# Altium PCB spin5v1_simple.PcbDoc (part 2 of 25) (continued)
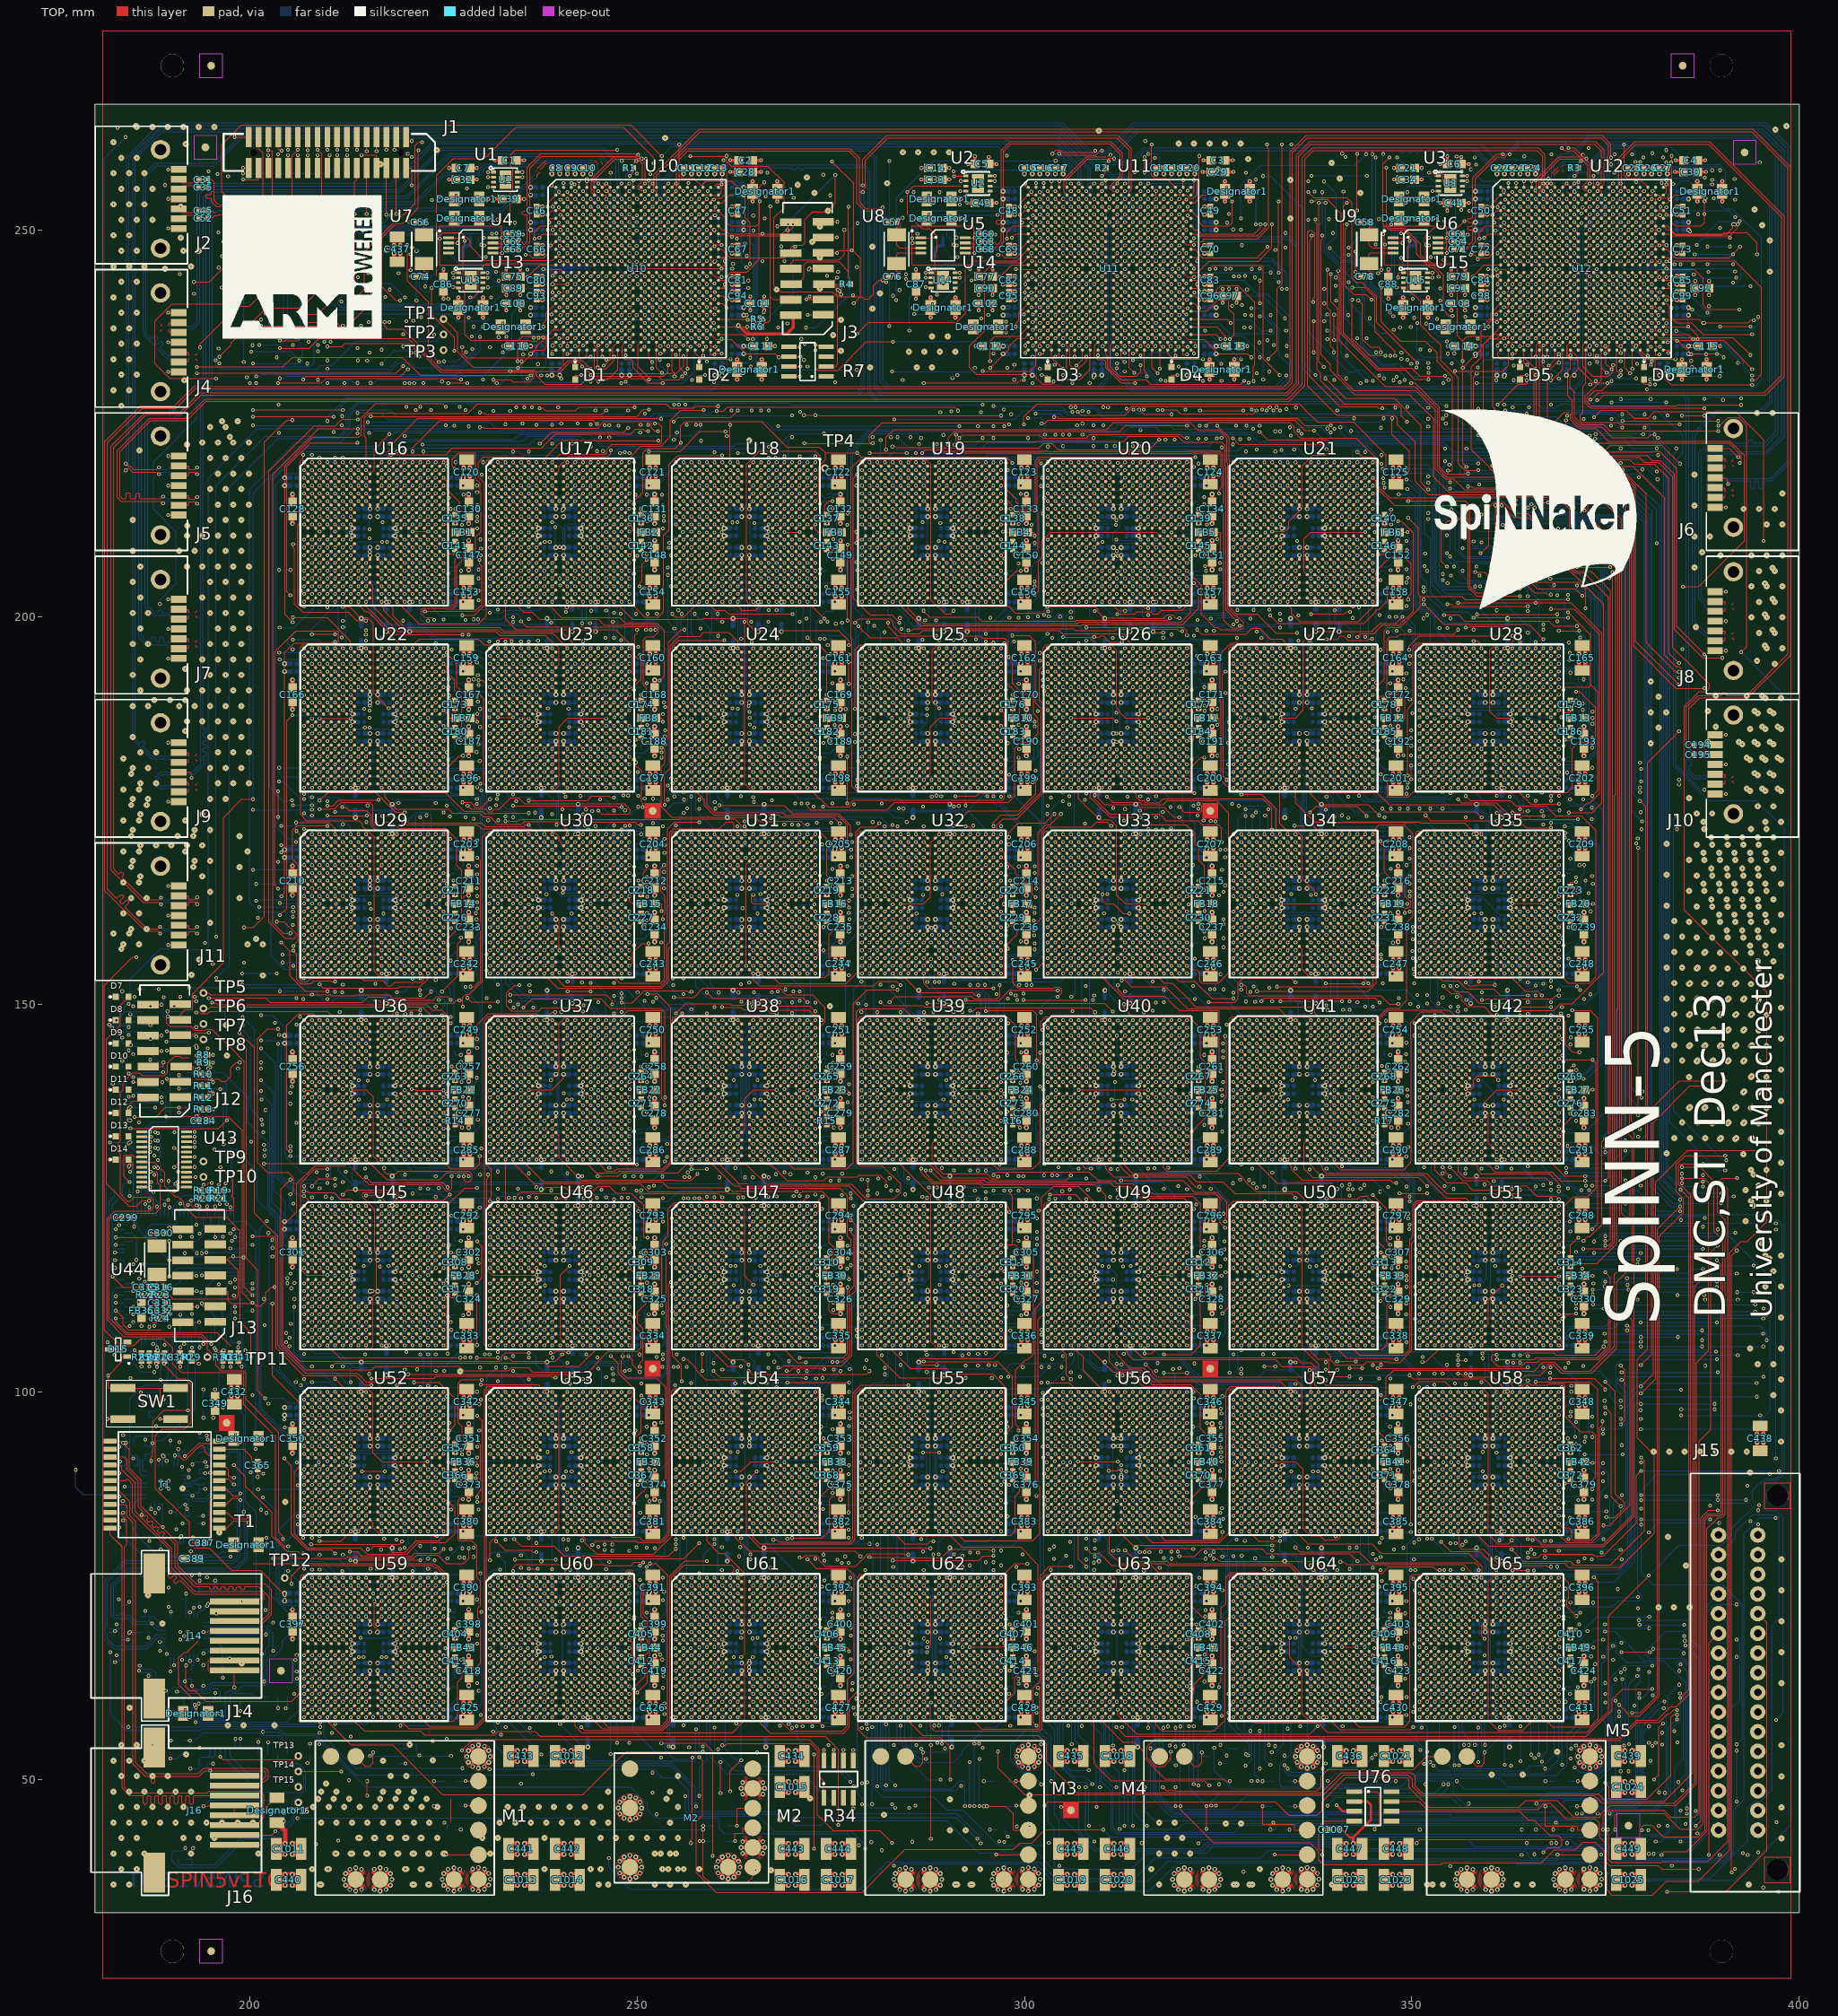
[diagram p0: TOP view]
## Components (designator, comment, footprint, x,y, rotation, side; value= is the part's Value field where it differs from the comment) (continued)
R191 "RES_0603" RES_0603 297,49.75 r180 bottom
R192 "RES_0603" RES_0603 226,49.75 r180 bottom
R193 "RES_0603" RES_0603 369.5,46.5 r180 bottom
R194 "RES_0603" RES_0603 333,46.5 r180 bottom
R195 "RES_0603" RES_0603 297,46.5 r180 bottom
R196 "RES_0603" RES_0603 226,46.5 r180 bottom
R197 "RES_0603" RES_0603 260.75,44 r180 bottom
R198 "RES_0402" RES_0402 369.5,43.5 r180 bottom
R199 "RES_0402" RES_0402 333,43.5 r180 bottom
R200 "RES_0402" RES_0402 297,43.5 r0 bottom
R201 "RES_0402" RES_0402 226,43.5 r180 bottom
R202 "RES_0603" RES_0603 260.75,42 r180 bottom
R203 "RES_0402" RES_0402 191.75,40.25 r90 bottom
R204 "RES_0402" RES_0402 190.75,40.25 r90 bottom
SW1 "SW_SM_PUSHB" PCBSW_SMT 187.05,98.5 r180 top
T1 "WURTH_ETH_TXFMR" WURTH_ETH_TXFMR 189,88 r180 top
TP1 "TP" TP_SMALL 225,238.5 r0 top
TP2 "TP" TP_SMALL 225,236.5 r0 top
TP3 "TP" TP_SMALL 225,234.5 r0 top
TP4 "TP" TP_SMALL 274.25,219.25 r0 top
TP5 "TP" TP_SMALL 194,151.5 r0 top
TP6 "TP" TP_SMALL 194,149.5 r0 top
TP7 "TP" TP_SMALL 194,147.5 r0 top
TP8 "TP" TP_SMALL 194,145.5 r0 top
TP9 "TP" TP_SMALL 194,129.75 r0 top
TP10 "TP" TP_SMALL 194,127.75 r0 top
TP11 "TP" TP_SMALL 194.5,104.5 r0 top
TP12 "TP" TP_SMALL 204.5,76 r0 top
TP13 "TP" TP_SMALL 206.25,53 r0 top
TP14 "TP" TP_SMALL 206.25,51 r0 top
TP15 "TP" TP_SMALL 206.25,49 r0 top
TP16 "TP" TP_SMALL 206.25,47 r0 top
U1 "MCP1726_DFN" 8_LEAD_3X3X09_DFN 232.834,256.603 r0 top
U2 "MCP1726_DFN" 8_LEAD_3X3X09_DFN 293.834,256.103 r0 top
U3 "MCP1726_DFN" 8_LEAD_3X3X09_DFN 354.834,256.103 r0 top
U4 "ICS844071" TSSOP8 228.172,248 r0 top
U5 "ICS844071" TSSOP8 289.172,248 r0 top
U6 "ICS844071" TSSOP8 350.172,248 r0 top
U7 "XTAL_TXC_7A" 7A_SMD_XTAL 222.5,247.5 r270 top
U8 "XTAL_TXC_7A" 7A_SMD_XTAL 283.5,247.5 r270 top
U9 "XTAL_TXC_7A" 7A_SMD_XTAL 344.5,247.5 r270 top
U10 "6SLX45TFGG484" FG484 250,245 r0 top
U11 "6SLX45TFGG484" FG484 311,245 r0 top
U12 "6SLX45TFGG484" FG484 372,245 r0 top
U13 "MCP1726_DFN" 8_LEAD_3X3X09_DFN 228.334,243.603 r0 top
U14 "MCP1726_DFN" 8_LEAD_3X3X09_DFN 289.334,243.603 r0 top
U15 "MCP1726_DFN" 8_LEAD_3X3X09_DFN 350.334,243.603 r0 top
U16 "SPINN2_V2" 300BGA 216.05,211 r0 top
U17 "SPINN2_V2" 300BGA 240.05,211 r0 top
U18 "SPINN2_V2" 300BGA 264.05,211 r0 top
U19 "SPINN2_V2" 300BGA 288.05,211 r0 top
U20 "SPINN2_V2" 300BGA 312.05,211 r0 top
U21 "SPINN2_V2" 300BGA 336.05,211 r0 top
U22 "SPINN2_V2" 300BGA 216.05,187 r0 top
U23 "SPINN2_V2" 300BGA 240.05,187 r0 top
U24 "SPINN2_V2" 300BGA 264.05,187 r0 top
U25 "SPINN2_V2" 300BGA 288.05,187 r0 top
U26 "SPINN2_V2" 300BGA 312.05,187 r0 top
U27 "SPINN2_V2" 300BGA 336.05,187 r0 top
U28 "SPINN2_V2" 300BGA 360.05,187 r0 top
U29 "SPINN2_V2" 300BGA 216.05,163 r0 top
U30 "SPINN2_V2" 300BGA 240.05,163 r0 top
U31 "SPINN2_V2" 300BGA 264.05,163 r0 top
U32 "SPINN2_V2" 300BGA 288.05,163 r0 top
U33 "SPINN2_V2" 300BGA 312.05,163 r0 top
U34 "SPINN2_V2" 300BGA 336.05,163 r0 top
U35 "SPINN2_V2" 300BGA 360.05,163 r0 top
U36 "SPINN2_V2" 300BGA 216.05,139 r0 top
U37 "SPINN2_V2" 300BGA 240.05,139 r0 top
U38 "SPINN2_V2" 300BGA 264.05,139 r0 top
U39 "SPINN2_V2" 300BGA 288.05,139 r0 top
U40 "SPINN2_V2" 300BGA 312.05,139 r0 top
U41 "SPINN2_V2" 300BGA 336.05,139 r0 top
U42 "SPINN2_V2" 300BGA 360.05,139 r0 top
U43 "SN74AVC8T245" TSSOP24 188.645,130.31 r0 top
U44 "XTAL_TXC_7A" 7A_SMD_XTAL 188,117 r90 top
U45 "SPINN2_V2" 300BGA 216.05,115 r0 top
U46 "SPINN2_V2" 300BGA 240.05,115 r0 top
U47 "SPINN2_V2" 300BGA 264.05,115 r0 top
U48 "SPINN2_V2" 300BGA 288.05,115 r0 top
U49 "SPINN2_V2" 300BGA 312.05,115 r0 top
U50 "SPINN2_V2" 300BGA 336.05,115 r0 top
U51 "SPINN2_V2" 300BGA 360.05,115 r0 top
U52 "SPINN2_V2" 300BGA 216.05,91 r0 top
U53 "SPINN2_V2" 300BGA 240.05,91 r0 top
U54 "SPINN2_V2" 300BGA 264.05,91 r0 top
U55 "SPINN2_V2" 300BGA 288.05,91 r0 top
U56 "SPINN2_V2" 300BGA 312.05,91 r0 top
U57 "SPINN2_V2" 300BGA 336.05,91 r0 top
U58 "SPINN2_V2" 300BGA 360.05,91 r0 top
U59 "SPINN2_V2" 300BGA 216.05,67 r0 top
U60 "SPINN2_V2" 300BGA 240.05,67 r0 top
U61 "SPINN2_V2" 300BGA 264.05,67 r0 top
U62 "SPINN2_V2" 300BGA 288.05,67 r0 top
U63 "SPINN2_V2" 300BGA 312.05,67 r0 top
U64 "SPINN2_V2" 300BGA 336.05,67 r0 top
U65 "SPINN2_V2" 300BGA 360.05,67 r0 top
U66 "SN74LV244A" TSSOP20 189.093,147.703 r0 bottom
U67 "SN74LV244A" TSSOP20 188.907,138.797 r180 bottom
U68 "LM4040" SOT23#2 183.268,125 r90 bottom
U69 "LPC1768" LQFP100 191.5,115 r180 bottom
U70 "NPN_SM" SOT23#3 189,98.268 r180 bottom
U71 "LAN8710A_QFN32" QFN32 189,87.638 r0 bottom
U72 "LAN8710A_QFN32" QFN32 191.5,68.862 r180 bottom
U73 "NPN_SM" SOT23#4 325,53.232 r0 bottom
U74 "NPN_SM" SOT23#5 218,53.232 r0 bottom
U75 "SN74AVC4T245" TSSOP16 196.447,57.093 r90 bottom
U76 "SN65HVD230D" SOIC8 344.944,46.706 r0 top
U77 "AT25DQ161" SOIC8_208 203.081,57 r270 bottom

## Footprints (in the part's own frame and the unit in brackets; to place one, negate y for a bottom-side part, rotate by r counter-clockwise, add the part's x,y. Pads: shape width x height; smd on the part's side, far side on the other; paste and mask are expansions set on the pad)
7A_SMD_XTAL [mm] "7A_SMD_XTAL"
  rect 1.7x2.4 smd: 1(-1.85,0) 2(1.85,0)
  silkscreen extent -2.2,-1.6 2.2,1.6, body extent -1.6,-1.25 1.6,1.25, height 0.91
8_LEAD_3X3X09_DFN [mm] "8_LEAD_3X3X09_DFN"
  rect 0.65x0.35 smd: 1(-1.384,0.872) 2(-1.384,0.222) 3(-1.384,-0.428) 4(-1.384,-1.078) 5(1.716,-1.078) 6(1.716,-0.428) 7(1.716,0.222) 8(1.716,0.872)
  rect 1.55x2.4 smd: 9(0.166,-0.103)
  silkscreen extent -1.94,-1.6 1.67,1.6, body extent -1.27,-1.65 1.75,1.35, height 0.8
300BGA [mm] "300BGA"
  round 0.4 smd: A1(-8.55,8.5) A2(-7.55,8.5) A3(-6.55,8.5) A4(-5.55,8.5) A5(-4.55,8.5) A6(-3.55,8.5) A7(-2.55,8.5) A8(-1.55,8.5) A9(-0.55,8.5) A10(0.45,8.5) A11(1.45,8.5) A12(2.45,8.5) A13(3.45,8.5) A14(4.45,8.5) A15(5.45,8.5) A16(6.45,8.5) A17(7.45,8.5) A18(8.45,8.5) B1(-8.55,7.5) B2(-7.55,7.5) B3(-6.55,7.5) B4(-5.55,7.5) B5(-4.55,7.5) B6(-3.55,7.5) B7(-2.55,7.5) B8(-1.55,7.5) B9(-0.55,7.5) B10(0.45,7.5) B11(1.45,7.5) B12(2.45,7.5) B13(3.45,7.5) B14(4.45,7.5) B15(5.45,7.5) B16(6.45,7.5) B17(7.45,7.5) B18(8.45,7.5) C1(-8.55,6.5) C2(-7.55,6.5) C3(-6.55,6.5) C4(-5.55,6.5) C5(-4.55,6.5) C6(-3.55,6.5) C7(-2.55,6.5) C8(-1.55,6.5) C9(-0.55,6.5) C10(0.45,6.5) C11(1.45,6.5) C12(2.45,6.5) C13(3.45,6.5) C14(4.45,6.5) C15(5.45,6.5) C16(6.45,6.5) C17(7.45,6.5) C18(8.45,6.5) D1(-8.55,5.5) D2(-7.55,5.5) D3(-6.55,5.5) D4(-5.55,5.5) D5(-4.55,5.5) D6(-3.55,5.5) D7(-2.55,5.5) D8(-1.55,5.5) D9(-0.55,5.5) D10(0.45,5.5) D11(1.45,5.5) D12(2.45,5.5) D13(3.45,5.5) D14(4.45,5.5) D15(5.45,5.5) D16(6.45,5.5) D17(7.45,5.5) D18(8.45,5.5) E1(-8.55,4.5) E2(-7.55,4.5) E3(-6.55,4.5) E4(-5.55,4.5) E5(-4.55,4.5) E6(-3.55,4.5) E7(-2.55,4.5) E8(-1.55,4.5) E9(-0.55,4.5) E10(0.45,4.5) E11(1.45,4.5) E12(2.45,4.5) E13(3.45,4.5) E14(4.45,4.5) E15(5.45,4.5) E16(6.45,4.5) E17(7.45,4.5) E18(8.45,4.5) F1(-8.55,3.5) F2(-7.55,3.5) F3(-6.55,3.5) F4(-5.55,3.5) F5(-4.55,3.5) F6(-3.55,3.5) F7(-2.55,3.5) F8(-1.55,3.5) F9(-0.55,3.5) F10(0.45,3.5) F11(1.45,3.5) F12(2.45,3.5) F13(3.45,3.5) F14(4.45,3.5) F15(5.45,3.5) F16(6.45,3.5) F17(7.45,3.5) F18(8.45,3.5) G1(-8.55,2.5) G2(-7.55,2.5) G3(-6.55,2.5) G4(-5.55,2.5) G5(-4.55,2.5) G6(-3.55,2.5) G7(-2.55,2.5) G12(2.45,2.5) G13(3.45,2.5) G14(4.45,2.5) G15(5.45,2.5) G16(6.45,2.5) G17(7.45,2.5) G18(8.45,2.5) H1(-8.55,1.5) H2(-7.55,1.5) H3(-6.55,1.5) H4(-5.55,1.5) H5(-4.55,1.5) H6(-3.55,1.5) H7(-2.55,1.5) H12(2.45,1.5) H13(3.45,1.5) H14(4.45,1.5) H15(5.45,1.5) H16(6.45,1.5) H17(7.45,1.5) H18(8.45,1.5) J1(-8.55,0.5) J2(-7.55,0.5) J3(-6.55,0.5) J4(-5.55,0.5) J5(-4.55,0.5) J6(-3.55,0.5) J7(-2.55,0.5) J12(2.45,0.5) J13(3.45,0.5) J14(4.45,0.5) J15(5.45,0.5) J16(6.45,0.5) J17(7.45,0.5) J18(8.45,0.5) K1(-8.55,-0.5) K2(-7.55,-0.5) K3(-6.55,-0.5) K4(-5.55,-0.5) K5(-4.55,-0.5) K6(-3.55,-0.5) K7(-2.55,-0.5) K12(2.45,-0.5) K13(3.45,-0.5) K14(4.45,-0.5) K15(5.45,-0.5) K16(6.45,-0.5) K17(7.45,-0.5) K18(8.45,-0.5) L1(-8.55,-1.5) L2(-7.55,-1.5) L3(-6.55,-1.5) L4(-5.55,-1.5) L5(-4.55,-1.5) L6(-3.55,-1.5) L7(-2.55,-1.5) L12(2.45,-1.5) L13(3.45,-1.5) L14(4.45,-1.5) L15(5.45,-1.5) L16(6.45,-1.5) L17(7.45,-1.5) L18(8.45,-1.5) M1(-8.55,-2.5) M2(-7.55,-2.5) M3(-6.55,-2.5) M4(-5.55,-2.5) M5(-4.55,-2.5) M6(-3.55,-2.5) M7(-2.55,-2.5) M12(2.45,-2.5) M13(3.45,-2.5) M14(4.45,-2.5) M15(5.45,-2.5) M16(6.45,-2.5) M17(7.45,-2.5) M18(8.45,-2.5) N1(-8.55,-3.5) N2(-7.55,-3.5) N3(-6.55,-3.5) N4(-5.55,-3.5) N5(-4.55,-3.5) N6(-3.55,-3.5) N7(-2.55,-3.5) N8(-1.55,-3.5) N9(-0.55,-3.5) N10(0.45,-3.5) N11(1.45,-3.5) N12(2.45,-3.5) N13(3.45,-3.5) N14(4.45,-3.5) N15(5.45,-3.5) N16(6.45,-3.5) N17(7.45,-3.5) N18(8.45,-3.5) P1(-8.55,-4.5) P2(-7.55,-4.5) P3(-6.55,-4.5) P4(-5.55,-4.5) P5(-4.55,-4.5) P6(-3.55,-4.5) P7(-2.55,-4.5) P8(-1.55,-4.5) P9(-0.55,-4.5) P10(0.45,-4.5) P11(1.45,-4.5) P12(2.45,-4.5) P13(3.45,-4.5) P14(4.45,-4.5) P15(5.45,-4.5) P16(6.45,-4.5) P17(7.45,-4.5) P18(8.45,-4.5) R1(-8.55,-5.5) R2(-7.55,-5.5) R3(-6.55,-5.5) R4(-5.55,-5.5) R5(-4.55,-5.5) R6(-3.55,-5.5) R7(-2.55,-5.5) R8(-1.55,-5.5) R9(-0.55,-5.5) R10(0.45,-5.5) R11(1.45,-5.5) R12(2.45,-5.5) R13(3.45,-5.5) R14(4.45,-5.5) R15(5.45,-5.5) R16(6.45,-5.5) R17(7.45,-5.5) R18(8.45,-5.5) T1(-8.55,-6.5) T2(-7.55,-6.5) T3(-6.55,-6.5) T4(-5.55,-6.5) T5(-4.55,-6.5) T6(-3.55,-6.5) T7(-2.55,-6.5) T8(-1.55,-6.5) T9(-0.55,-6.5) T10(0.45,-6.5) T11(1.45,-6.5) T12(2.45,-6.5) T13(3.45,-6.5) T14(4.45,-6.5) T15(5.45,-6.5) T16(6.45,-6.5) T17(7.45,-6.5) T18(8.45,-6.5) U1(-8.55,-7.5) U2(-7.55,-7.5) U3(-6.55,-7.5) U4(-5.55,-7.5) U5(-4.55,-7.5) U6(-3.55,-7.5) U7(-2.55,-7.5) U8(-1.55,-7.5) U9(-0.55,-7.5) U10(0.45,-7.5) U11(1.45,-7.5) U12(2.45,-7.5) U13(3.45,-7.5) U14(4.45,-7.5) U15(5.45,-7.5) U16(6.45,-7.5) U17(7.45,-7.5) U18(8.45,-7.5) V1(-8.55,-8.5) V2(-7.55,-8.5) V3(-6.55,-8.5) V4(-5.55,-8.5) V5(-4.55,-8.5) V6(-3.55,-8.5) V7(-2.55,-8.5) V8(-1.55,-8.5) V9(-0.55,-8.5) V10(0.45,-8.5) V11(1.45,-8.5) V12(2.45,-8.5) V13(3.45,-8.5) V14(4.45,-8.5) V15(5.45,-8.5) V16(6.45,-8.5) V17(7.45,-8.5) V18(8.45,-8.5)
  TOP lines w0.127: -9.05,-9 -8.55,-8.5 ; -9.05,-8 -8.55,-7.5 ; -9.05,-7 -8.55,-6.5 ; -9.05,-6 -8.55,-5.5 ; -9.05,-5 -8.55,-4.5 ; -9.05,-4 -8.55,-3.5 ; -9.05,-3 -8.55,-2.5 ; -9.05,-2 -8.55,-1.5 ; -9.05,-1 -8.55,-0.5 ; -9.05,1 -8.55,0.5 ; -9.05,2 -8.55,1.5 ; -9.05,3 -8.55,2.5 ; -9.05,4 -8.55,3.5 ; -9.05,5 -8.55,4.5 ; -9.05,6 -8.55,5.5 ; -9.05,7 -8.55,6.5 ; -9.05,8 -8.55,7.5 ; -9.05,9 -8.55,8.5 ; -8.05,-9 -7.55,-8.5 ; -8.05,-8 -7.55,-7.5 ; -8.05,-7 -7.55,-6.5 ; -8.05,-6 -7.55,-5.5 ; -8.05,-5 -7.55,-4.5 ; -8.05,-4 -7.55,-3.5 ; -8.05,-3 -7.55,-2.5 ; -8.05,-2 -7.55,-1.5 ; -8.05,-1 -7.55,-0.5 ; -8.05,1 -7.55,0.5 ; -8.05,2 -7.55,1.5 ; -8.05,3 -7.55,2.5 ; -8.05,4 -7.55,3.5 ; -8.05,5 -7.55,4.5 ; -8.05,6 -7.55,5.5 ; -8.05,7 -7.55,6.5 ; -8.05,8 -7.55,7.5 ; -8.05,9 -7.55,8.5 ; -7.05,-9 -6.55,-8.5 ; -7.05,-8 -6.55,-7.5 ; -7.05,-7 -6.55,-6.5 ; -7.05,-6 -6.55,-5.5 ; -7.05,-5 -6.55,-4.5 ; -7.05,-4 -6.55,-3.5 ; -7.05,-3 -6.55,-2.5 ; -7.05,-2 -6.55,-1.5 ; -7.05,-1 -6.55,-0.5 ; -7.05,1 -6.55,0.5 ; -7.05,2 -6.55,1.5 ; -7.05,3 -6.55,2.5 ; -7.05,4 -6.55,3.5 ; -7.05,5 -6.55,4.5 ; -7.05,6 -6.55,5.5 ; -7.05,7 -6.55,6.5 ; -7.05,8 -6.55,7.5 ; -7.05,9 -6.55,8.5 ; -6.05,-9 -5.55,-8.5 ; -6.05,-8 -5.55,-7.5 ; -6.05,-7 -5.55,-6.5 ; -6.05,-6 -5.55,-5.5 ; -6.05,-5 -5.55,-4.5 ; -6.05,-4 -5.55,-3.5 ; -6.05,-3 -5.55,-2.5 ; -6.05,-2 -5.55,-1.5 ; -6.05,-1 -5.55,-0.5 ; -6.05,1 -5.55,0.5 ; -6.05,2 -5.55,1.5 ; -6.05,3 -5.55,2.5 ; -6.05,4 -5.55,3.5 ; -6.05,5 -5.55,4.5 ; -6.05,6 -5.55,5.5 ; -6.05,7 -5.55,6.5 ; -6.05,8 -5.55,7.5 ; -6.05,9 -5.55,8.5 ; -5.05,-9 -4.55,-8.5 ; -5.05,-8 -4.55,-7.5 ; -5.05,-7 -4.55,-6.5 ; -5.05,-6 -4.55,-5.5 ; -5.05,-5 -4.55,-4.5 ; -5.05,-4 -4.55,-3.5 ; -5.05,-3 -4.55,-2.5 ; -5.05,-2 -4.55,-1.5 ; -5.05,-1 -4.55,-0.5 ; -5.05,1 -4.55,0.5 ; -5.05,2 -4.55,1.5 ; -5.05,3 -4.55,2.5 ; -5.05,4 -4.55,3.5 ; -5.05,5 -4.55,4.5 ; -5.05,6 -4.55,5.5 ; -5.05,7 -4.55,6.5 ; -5.05,8 -4.55,7.5 ; -5.05,9 -4.55,8.5 ; -4.05,-9 -3.55,-8.5 ; -4.05,-8 -3.55,-7.5 ; -4.05,-7 -3.55,-6.5 ; -4.05,-6 -3.55,-5.5 ; -4.05,-5 -3.55,-4.5 ; -4.05,-4 -3.55,-3.5 ; -4.05,-3 -3.55,-2.5 ; -4.05,-2 -3.55,-1.5 ; -4.05,-1 -3.55,-0.5 ; -4.05,1 -3.55,0.5 ; -4.05,2 -3.55,1.5 ; -4.05,3 -3.55,2.5 ; -4.05,4 -3.55,3.5 ; -4.05,5 -3.55,4.5 ; -4.05,6 -3.55,5.5 ; -4.05,7 -3.55,6.5 ; -4.05,8 -3.55,7.5 ; -4.05,9 -3.55,8.5 ; -3.05,-9 -2.55,-8.5 ; -3.05,-8 -2.55,-7.5 ; -3.05,-7 -2.55,-6.5 ; -3.05,-6 -2.55,-5.5 ; -3.05,-5 -2.55,-4.5 ; -3.05,-4 -2.55,-3.5 ; -3.05,-3 -2.55,-2.5 ; -3.05,-2 -2.55,-1.5 ; -3.05,-1 -2.55,-0.5 ; -3.05,1 -2.55,0.5 ; -3.05,2 -2.55,1.5 ; -3.05,3 -2.55,2.5 ; -3.05,4 -2.55,3.5 ; -3.05,5 -2.55,4.5 ; -3.05,6 -2.55,5.5 ; -3.05,7 -2.55,6.5 ; -3.05,8 -2.55,7.5 ; -3.05,9 -2.55,8.5 ; -2.05,-9 -1.55,-8.5 ; -2.05,-8 -1.55,-7.5 ; -2.05,-7 -1.55,-6.5 ; -2.05,-6 -1.55,-5.5 ; -2.05,-5 -1.55,-4.5 ; -2.05,-4 -1.55,-3.5 ; -2.05,4 -1.55,3.5 ; -2.05,5 -1.55,4.5 ; -2.05,6 -1.55,5.5 ; -2.05,7 -1.55,6.5 ; -2.05,8 -1.55,7.5 ; -2.05,9 -1.55,8.5 ; -1.05,-9 -0.55,-8.5 ; -1.05,-8 -0.55,-7.5 ; -1.05,-7 -0.55,-6.5 ; -1.05,-6 -0.55,-5.5 ; -1.05,-5 -0.55,-4.5 ; -1.05,-4 -0.55,-3.5 ; -1.05,4 -0.55,3.5 ; -1.05,5 -0.55,4.5 ; -1.05,6 -0.55,5.5 ; -1.05,7 -0.55,6.5 ; -1.05,8 -0.55,7.5 ; -1.05,9 -0.55,8.5 ; 0.45,-8.5 0.95,-9 ; 0.45,-7.5 0.95,-8 ; 0.45,-6.5 0.95,-7 ; 0.45,-5.5 0.95,-6 ; 0.45,-4.5 0.95,-5 ; 0.45,-3.5 0.95,-4 ; 0.45,3.5 0.95,4 ; 0.45,4.5 0.95,5 ; 0.45,5.5 0.95,6 ; 0.45,6.5 0.95,7 ; 0.45,7.5 0.95,8 ; 0.45,8.5 0.95,9 ; 1.45,-8.5 1.95,-9 ; 1.45,-7.5 1.95,-8 ; 1.45,-6.5 1.95,-7 ; 1.45,-5.5 1.95,-6 ; 1.45,-4.5 1.95,-5 ; 1.45,-3.5 1.95,-4 ; 1.45,3.5 1.95,4 ; 1.45,4.5 1.95,5 ; 1.45,5.5 1.95,6 ; 1.45,6.5 1.95,7 ; 1.45,7.5 1.95,8 ; 1.45,8.5 1.95,9 ; 2.45,-8.5 2.95,-9 ; 2.45,-7.5 2.95,-8 ; 2.45,-6.5 2.95,-7 ; 2.45,-5.5 2.95,-6 ; 2.45,-4.5 2.95,-5 ; 2.45,-3.5 2.95,-4 ; 2.45,-2.5 2.95,-3 ; 2.45,-1.5 2.95,-2 ; 2.45,-0.5 2.95,-1 ; 2.45,0.5 2.95,1 ; 2.45,1.5 2.95,2 ; 2.45,2.5 2.95,3 ; 2.45,3.5 2.95,4 ; 2.45,4.5 2.95,5 ; 2.45,5.5 2.95,6 ; 2.45,6.5 2.95,7 ; 2.45,7.5 2.95,8 ; 2.45,8.5 2.95,9 ; 3.45,-8.5 3.95,-9 ; 3.45,-7.5 3.95,-8 ; 3.45,-6.5 3.95,-7 ; 3.45,-5.5 3.95,-6 ; 3.45,-4.5 3.95,-5 ; 3.45,-3.5 3.95,-4 ; 3.45,-2.5 3.95,-3 ; 3.45,-1.5 3.95,-2 ; 3.45,-0.5 3.95,-1 ; 3.45,0.5 3.95,1 ; 3.45,1.5 3.95,2 ; 3.45,2.5 3.95,3 ; 3.45,3.5 3.95,4 ; 3.45,4.5 3.95,5 ; 3.45,5.5 3.95,6 ; 3.45,6.5 3.95,7 ; 3.45,7.5 3.95,8 ; 3.45,8.5 3.95,9 ; 4.45,-8.5 4.95,-9 ; 4.45,-7.5 4.95,-8 ; 4.45,-6.5 4.95,-7 ; 4.45,-5.5 4.95,-6 ; 4.45,-4.5 4.95,-5 ; 4.45,-3.5 4.95,-4 ; 4.45,-2.5 4.95,-3 ; 4.45,-1.5 4.95,-2 ; 4.45,-0.5 4.95,-1 ; 4.45,0.5 4.95,1 ; 4.45,1.5 4.95,2 ; 4.45,2.5 4.95,3 ; 4.45,3.5 4.95,4 ; 4.45,4.5 4.95,5 ; 4.45,5.5 4.95,6 ; 4.45,6.5 4.95,7 ; 4.45,7.5 4.95,8 ; 4.45,8.5 4.95,9 ; 5.45,-8.5 5.95,-9 ; 5.45,-7.5 5.95,-8 ; 5.45,-6.5 5.95,-7 ; 5.45,-5.5 5.95,-6 ; 5.45,-4.5 5.95,-5 ; 5.45,-3.5 5.95,-4 ; 5.45,-2.5 5.95,-3 ; 5.45,-1.5 5.95,-2 ; 5.45,-0.5 5.95,-1 ; 5.45,0.5 5.95,1 ; 5.45,1.5 5.95,2 ; 5.45,2.5 5.95,3 ; 5.45,3.5 5.95,4 ; 5.45,4.5 5.95,5 ; 5.45,5.5 5.95,6 ; 5.45,6.5 5.95,7 ; 5.45,7.5 5.95,8 ; 5.45,8.5 5.95,9 ; 6.45,-8.5 6.95,-9 ; 6.45,-7.5 6.95,-8 ; 6.45,-6.5 6.95,-7 ; 6.45,-5.5 6.95,-6 ; 6.45,-4.5 6.95,-5 ; 6.45,-3.5 6.95,-4 ; 6.45,-2.5 6.95,-3 ; 6.45,-1.5 6.95,-2 ; 6.45,-0.5 6.95,-1 ; 6.45,0.5 6.95,1 ; 6.45,1.5 6.95,2 ; 6.45,2.5 6.95,3 ; 6.45,3.5 6.95,4 ; 6.45,4.5 6.95,5 ; 6.45,5.5 6.95,6 ; 6.45,6.5 6.95,7 ; 6.45,7.5 6.95,8 ; 6.45,8.5 6.95,9 ; 7.45,-8.5 7.95,-9 ; 7.45,-7.5 7.95,-8 ; 7.45,-6.5 7.95,-7 ; 7.45,-5.5 7.95,-6 ; 7.45,-4.5 7.95,-5 ; 7.45,-3.5 7.95,-4 ; 7.45,-2.5 7.95,-3 ; 7.45,-1.5 7.95,-2 ; 7.45,-0.5 7.95,-1 ; 7.45,0.5 7.95,1 ; 7.45,1.5 7.95,2 ; 7.45,2.5 7.95,3 ; 7.45,3.5 7.95,4 ; 7.45,4.5 7.95,5 ; 7.45,5.5 7.95,6 ; 7.45,6.5 7.95,7 ; 7.45,7.5 7.95,8 ; 7.45,8.5 7.95,9 ; 8.45,-8.5 8.95,-9 ; 8.45,-7.5 8.95,-8 ; 8.45,-6.5 8.95,-7 ; 8.45,-5.5 8.95,-6 ; 8.45,-4.5 8.95,-5 ; 8.45,-3.5 8.95,-4 ; 8.45,-2.5 8.95,-3 ; 8.45,-1.5 8.95,-2 ; 8.45,-0.5 8.95,-1 ; 8.45,0.5 8.95,1 ; 8.45,1.5 8.95,2 ; 8.45,2.5 8.95,3 ; 8.45,3.5 8.95,4 ; 8.45,4.5 8.95,5 ; 8.45,5.5 8.95,6 ; 8.45,6.5 8.95,7 ; 8.45,7.5 8.95,8 ; 8.45,8.5 8.95,9
  silkscreen extent -9.55,-9.5 9.55,9.5, body extent -9.56,-9.51 9.56,9.51, height 1
0603_LED [mm] "0603_LED"
  rect 0.8x0.8 smd: 1(-0.597,0) 2(1.053,0)
  TOP lines w0.127: -0.597,0 -1.364,0
  silkscreen extent -1.35,-0.1 -1.15,0.1
C42_34_SM [mm] "C42_34_SM"
  rect 2.6x0.74 smd: 1(-2,9.91) 2(2,9.91) 3(-2,8.64) 4(2,8.64) 5(-2,7.37) 6(2,7.37) 7(-2,6.1) 8(2,6.1) 9(-2,4.83) 10(2,4.83) 11(-2,3.56) 12(2,3.56) 13(-2,2.29) 14(2,2.29) 15(-2,1.02) 16(2,1.02) 17(-2,-0.25) 18(2,-0.25) 19(-2,-1.52) 20(2,-1.52) 21(-2,-2.79) 22(2,-2.79) 23(-2,-4.06) 24(2,-4.06) 25(-2,-5.33) 26(2,-5.33) 27(-2,-6.6) 28(2,-6.6) 29(-2,-7.87) 30(2,-7.87) 31(-2,-9.14) 32(2,-9.14) 33(-2,-10.41) 34(2,-10.41)
  round 1 hole 1: " "(0,9.275) " "(0,-9.775)
  TOP lines w0.127: -2,-12.235 -2,-10.41 ; -2,-9.14 -0.509,-9.14 0.052,-8.579 9.065,-8.579 ; -0.274,-7.87 -2,-7.87 ; -0.332,-5.33 -2,-5.33 ; -0.332,-4.06 -2,-4.06 ; -0.274,-2.79 -2,-2.79 ; -0.332,-1.52 -2,-1.52 ; 2,1.02 0.333,1.02 ; 2,2.29 0.333,2.29 ; 7.933,3.254 3.797,3.254 3.491,3.56 2,3.56 ; 7.933,4.83 2,4.83 ; 8.032,7.37 2,7.37 ; 7.93,8.64 2,8.64 ; 2,9.91 2,10.52 2.127,10.647 4.223,10.647
  silkscreen extent -2.4,-13.65 2.4,13.65, body extent -2.71,-12.54 2.79,12.04, height 5.6
CAP_0402 [mm] "CAP_0402"
  rect 0.69x0.74 smd: 1(-0.53,0) 2(0.53,0)
CAP_0402_VS [mm] "CAP_0402_VS"
  rect 0.69x0.74 smd: 1(-0.53,0) 2(0.53,0)
  TOP lines w0.61: -0.53,0 -0.5,-0.03 -0.5,-0.76 ; 0.5,-0.76 0.5,-0.03 0.53,0
CAP_0603 [mm] "CAP_0603"
  rect 1.15x1.1 smd: 1(-0.9,0) 2(0.9,0)
CAP_0603_VL [mm] "CAP_0603_VL"
  rect 1.15x1.1 smd: 1(-0.375,-0.188) 2(1.425,-0.188)
  TOP lines w0.61: 2.432,-0.188 1.425,-0.188 ; -0.375,-0.188 -1.382,-0.188
CAP_1206 [mm] "CAP_1206"
  rect 1.35x1.9 smd: 1(-1.6,-0.01) 2(1.6,-0.01)
CAP_1206VL [mm] "CAP_1206VL"
  rect 1.35x1.9 smd: 1(-1.6,-0.01) 2(1.6,-0.01)
  TOP lines w0.5: 0.493,-0.41 1.6,-0.41 1.6,-0.01 1.6,0.39 0.493,0.39 ; -0.493,-0.41 -1.6,-0.41 -1.6,-0.01 -1.6,0.39 -0.493,0.39
CAP_1210VL [mm] "CAP_1210VL"
  rect 1.35x2.8 smd: 1(-1.6,-0.045) 2(1.6,-0.045)
  TOP lines w0.61: -0.45,-0.745 -1.25,-0.745 -1.6,-0.395 -1.6,-0.045 -1.6,0.251 -1.196,0.655 -0.45,0.655 ; 0.45,-0.745 1.25,-0.745 1.6,-0.395 1.6,-0.045 1.6,0.251 1.196,0.655 0.45,0.655
DIN41612_32 [mm] "DIN41612_32"
  round 2.8 / inner round 3 / far side round 2.8 hole 2.8: " "(4.23,-24.13) " "(4.23,24.13)
  round 2 hole 1: A1(1.69,19.05) A2(1.69,16.51) A3(1.69,13.97) A4(1.69,11.43) A5(1.69,8.89) A6(1.69,6.35) A7(1.69,3.81) A8(1.69,1.27) A9(1.69,-1.27) A10(1.69,-3.81) A11(1.69,-6.35) A12(1.69,-8.89) A13(1.69,-11.43) A14(1.69,-13.97) A15(1.69,-16.51) A16(1.69,-19.05) C1(-3.39,19.05) C2(-3.39,16.51) C3(-3.39,13.97) C4(-3.39,11.43) C5(-3.39,8.89) C6(-3.39,6.35) C7(-3.39,3.81) C8(-3.39,1.27) C9(-3.39,-1.27) C10(-3.39,-3.81) C11(-3.39,-6.35) C12(-3.39,-8.89) C13(-3.39,-11.43) C14(-3.39,-13.97) C15(-3.39,-16.51) C16(-3.39,-19.05)
  Multi-Layer pour cut-out: 7.493,-25.308 7.493,28.702 -6.477,28.702 -6.477,-25.318 -6.467,-25.308 7.493,-25.308
  Multi-Layer lines w0.025: 2.55,-25.8 2.55,-22.5 5.85,-22.5 5.85,-25.8 2.55,-25.8 ; 2.55,22.5 2.55,25.8 5.85,25.8 5.85,22.5 2.55,22.5 ; 3.595,-24.765 3.595,-23.495 4.865,-23.495 4.865,-24.765 3.595,-24.765 ; 3.595,23.495 3.595,24.765 4.865,24.765 4.865,23.495 3.595,23.495
  silkscreen extent -7,-27 7.11,27, body extent -3.8,-26.54 14.22,26.67, height 9.45
FB_0603 [mm] "FB_0603"
  rect 1.15x1.1 smd: 1(-0.9,0) 2(0.9,0)
FG484 [mm] "FG484"
  round 0.4 smd: A1(-10.5,10.5) A2(-9.5,10.5) A3(-8.5,10.5) A4(-7.5,10.5) A5(-6.5,10.5) A6(-5.5,10.5) A7(-4.5,10.5) A8(-3.5,10.5) A9(-2.5,10.5) A10(-1.5,10.5) A11(-0.5,10.5) A12(0.5,10.5) A13(1.5,10.5) A14(2.5,10.5) A15(3.5,10.5) A16(4.5,10.5) A17(5.5,10.5) A18(6.5,10.5) A19(7.5,10.5) A20(8.5,10.5) A21(9.5,10.5) A22(10.5,10.5) AA1(-10.5,-9.5) AA2(-9.5,-9.5) AA3(-8.5,-9.5) AA4(-7.5,-9.5) AA5(-6.5,-9.5) AA6(-5.5,-9.5) AA7(-4.5,-9.5) AA8(-3.5,-9.5) AA9(-2.5,-9.5) AA10(-1.5,-9.5) AA11(-0.5,-9.5) AA12(0.5,-9.5) AA13(1.5,-9.5) AA14(2.5,-9.5) AA15(3.5,-9.5) AA16(4.5,-9.5) AA17(5.5,-9.5) AA18(6.5,-9.5) AA19(7.5,-9.5) AA20(8.5,-9.5) AA21(9.5,-9.5) AA22(10.5,-9.5) AB1(-10.5,-10.5) AB2(-9.5,-10.5) AB3(-8.5,-10.5) AB4(-7.5,-10.5) AB5(-6.5,-10.5) AB6(-5.5,-10.5) AB7(-4.5,-10.5) AB8(-3.5,-10.5) AB9(-2.5,-10.5) AB10(-1.5,-10.5) AB11(-0.5,-10.5) AB12(0.5,-10.5) AB13(1.5,-10.5) AB14(2.5,-10.5) AB15(3.5,-10.5) AB16(4.5,-10.5) AB17(5.5,-10.5) AB18(6.5,-10.5) AB19(7.5,-10.5) AB20(8.5,-10.5) AB21(9.5,-10.5) AB22(10.5,-10.5) B1(-10.5,9.5) B2(-9.5,9.5) B3(-8.5,9.5) B4(-7.5,9.5) B5(-6.5,9.5) B6(-5.5,9.5) B7(-4.5,9.5) B8(-3.5,9.5) B9(-2.5,9.5) B10(-1.5,9.5) B11(-0.5,9.5) B12(0.5,9.5) B13(1.5,9.5) B14(2.5,9.5) B15(3.5,9.5) B16(4.5,9.5) B17(5.5,9.5) B18(6.5,9.5) B19(7.5,9.5) B20(8.5,9.5) B21(9.5,9.5) B22(10.5,9.5) C1(-10.5,8.5) C2(-9.5,8.5) C3(-8.5,8.5) C4(-7.5,8.5) C5(-6.5,8.5) C6(-5.5,8.5) C7(-4.5,8.5) C8(-3.5,8.5) C9(-2.5,8.5) C10(-1.5,8.5) C11(-0.5,8.5) C12(0.5,8.5) C13(1.5,8.5) C14(2.5,8.5) C15(3.5,8.5) C16(4.5,8.5) C17(5.5,8.5) C18(6.5,8.5) C19(7.5,8.5) C20(8.5,8.5) C21(9.5,8.5) C22(10.5,8.5) D1(-10.5,7.5) D2(-9.5,7.5) D3(-8.5,7.5) D4(-7.5,7.5) D5(-6.5,7.5) D6(-5.5,7.5) D7(-4.5,7.5) D8(-3.5,7.5) D9(-2.5,7.5) D10(-1.5,7.5) D11(-0.5,7.5) D12(0.5,7.5) D13(1.5,7.5) D14(2.5,7.5) D15(3.5,7.5) D16(4.5,7.5) D17(5.5,7.5) D18(6.5,7.5) D19(7.5,7.5) D20(8.5,7.5) D21(9.5,7.5) D22(10.5,7.5) E1(-10.5,6.5) E2(-9.5,6.5) E3(-8.5,6.5) E4(-7.5,6.5) E5(-6.5,6.5) E6(-5.5,6.5) E7(-4.5,6.5) E8(-3.5,6.5) E9(-2.5,6.5) E10(-1.5,6.5) E11(-0.5,6.5) E12(0.5,6.5) E13(1.5,6.5) E14(2.5,6.5) E15(3.5,6.5) E16(4.5,6.5) E17(5.5,6.5) E18(6.5,6.5) E19(7.5,6.5) E20(8.5,6.5) E21(9.5,6.5) E22(10.5,6.5) F1(-10.5,5.5) F2(-9.5,5.5) F3(-8.5,5.5) F4(-7.5,5.5) F5(-6.5,5.5) F6(-5.5,5.5) F7(-4.5,5.5) F8(-3.5,5.5) F9(-2.5,5.5) F10(-1.5,5.5) F11(-0.5,5.5) F12(0.5,5.5) F13(1.5,5.5) F14(2.5,5.5) F15(3.5,5.5) F16(4.5,5.5) F17(5.5,5.5) F18(6.5,5.5) F19(7.5,5.5) F20(8.5,5.5) F21(9.5,5.5) F22(10.5,5.5) G1(-10.5,4.5) G2(-9.5,4.5) G3(-8.5,4.5) G4(-7.5,4.5) G5(-6.5,4.5) G6(-5.5,4.5) G7(-4.5,4.5) G8(-3.5,4.5) G9(-2.5,4.5) G10(-1.5,4.5) G11(-0.5,4.5) G12(0.5,4.5) G13(1.5,4.5) G14(2.5,4.5) G15(3.5,4.5) G16(4.5,4.5) G17(5.5,4.5) G18(6.5,4.5) G19(7.5,4.5) G20(8.5,4.5) G21(9.5,4.5) G22(10.5,4.5) H1(-10.5,3.5) H2(-9.5,3.5) H3(-8.5,3.5) H4(-7.5,3.5) H5(-6.5,3.5) H6(-5.5,3.5) H7(-4.5,3.5) H8(-3.5,3.5) H9(-2.5,3.5) H10(-1.5,3.5) H11(-0.5,3.5) H12(0.5,3.5) H13(1.5,3.5) H14(2.5,3.5) H15(3.5,3.5) H16(4.5,3.5) H17(5.5,3.5) H18(6.5,3.5) H19(7.5,3.5) H20(8.5,3.5) H21(9.5,3.5) H22(10.5,3.5) J1(-10.5,2.5) J2(-9.5,2.5) J3(-8.5,2.5) J4(-7.5,2.5) J5(-6.5,2.5) J6(-5.5,2.5) J7(-4.5,2.5) J8(-3.5,2.5) J9(-2.5,2.5) J10(-1.5,2.5) J11(-0.5,2.5) J12(0.5,2.5) J13(1.5,2.5) J14(2.5,2.5) J15(3.5,2.5) J16(4.5,2.5) J17(5.5,2.5) J18(6.5,2.5) J19(7.5,2.5) J20(8.5,2.5) J21(9.5,2.5) J22(10.5,2.5) K1(-10.5,1.5) K2(-9.5,1.5) K3(-8.5,1.5) K4(-7.5,1.5) K5(-6.5,1.5) K6(-5.5,1.5) K7(-4.5,1.5) K8(-3.5,1.5) K9(-2.5,1.5) K10(-1.5,1.5) K11(-0.5,1.5) K12(0.5,1.5) K13(1.5,1.5) K14(2.5,1.5) K15(3.5,1.5) K16(4.5,1.5) K17(5.5,1.5) K18(6.5,1.5) K19(7.5,1.5) K20(8.5,1.5) K21(9.5,1.5) K22(10.5,1.5) L1(-10.5,0.5) L2(-9.5,0.5) L3(-8.5,0.5) L4(-7.5,0.5) L5(-6.5,0.5) L6(-5.5,0.5) L7(-4.5,0.5) L8(-3.5,0.5) L9(-2.5,0.5) L10(-1.5,0.5) L11(-0.5,0.5) L12(0.5,0.5) L13(1.5,0.5) L14(2.5,0.5) L15(3.5,0.5) L16(4.5,0.5) L17(5.5,0.5) L18(6.5,0.5) L19(7.5,0.5) L20(8.5,0.5) L21(9.5,0.5) L22(10.5,0.5) M1(-10.5,-0.5) M2(-9.5,-0.5) M3(-8.5,-0.5) M4(-7.5,-0.5) M5(-6.5,-0.5) M6(-5.5,-0.5) M7(-4.5,-0.5) M8(-3.5,-0.5) M9(-2.5,-0.5) M10(-1.5,-0.5) M11(-0.5,-0.5) M12(0.5,-0.5) M13(1.5,-0.5) M14(2.5,-0.5) M15(3.5,-0.5) M16(4.5,-0.5) M17(5.5,-0.5) M18(6.5,-0.5) M19(7.5,-0.5) M20(8.5,-0.5) M21(9.5,-0.5) M22(10.5,-0.5) N1(-10.5,-1.5) N2(-9.5,-1.5) N3(-8.5,-1.5) N4(-7.5,-1.5) N5(-6.5,-1.5) N6(-5.5,-1.5) N7(-4.5,-1.5) N8(-3.5,-1.5) N9(-2.5,-1.5) N10(-1.5,-1.5) N11(-0.5,-1.5) N12(0.5,-1.5) N13(1.5,-1.5) N14(2.5,-1.5) N15(3.5,-1.5) N16(4.5,-1.5) N17(5.5,-1.5) N18(6.5,-1.5) N19(7.5,-1.5) N20(8.5,-1.5) N21(9.5,-1.5) N22(10.5,-1.5) P1(-10.5,-2.5) P2(-9.5,-2.5) P3(-8.5,-2.5) P4(-7.5,-2.5) P5(-6.5,-2.5) P6(-5.5,-2.5) P7(-4.5,-2.5) P8(-3.5,-2.5) P9(-2.5,-2.5) P10(-1.5,-2.5) P11(-0.5,-2.5) P12(0.5,-2.5) P13(1.5,-2.5) P14(2.5,-2.5) P15(3.5,-2.5) P16(4.5,-2.5) P17(5.5,-2.5) P18(6.5,-2.5) P19(7.5,-2.5) P20(8.5,-2.5) P21(9.5,-2.5) P22(10.5,-2.5) R1(-10.5,-3.5) R2(-9.5,-3.5) R3(-8.5,-3.5) R4(-7.5,-3.5) R5(-6.5,-3.5) R6(-5.5,-3.5) R7(-4.5,-3.5) R8(-3.5,-3.5) R9(-2.5,-3.5) R10(-1.5,-3.5) R11(-0.5,-3.5) R12(0.5,-3.5) R13(1.5,-3.5) R14(2.5,-3.5) R15(3.5,-3.5) R16(4.5,-3.5) R17(5.5,-3.5) R18(6.5,-3.5) R19(7.5,-3.5) R20(8.5,-3.5) R21(9.5,-3.5) R22(10.5,-3.5) T1(-10.5,-4.5) T2(-9.5,-4.5) T3(-8.5,-4.5) T4(-7.5,-4.5) T5(-6.5,-4.5) T6(-5.5,-4.5) T7(-4.5,-4.5) T8(-3.5,-4.5) T9(-2.5,-4.5) T10(-1.5,-4.5) T11(-0.5,-4.5) T12(0.5,-4.5) T13(1.5,-4.5) T14(2.5,-4.5) T15(3.5,-4.5) T16(4.5,-4.5) T17(5.5,-4.5) T18(6.5,-4.5) T19(7.5,-4.5) T20(8.5,-4.5) T21(9.5,-4.5) T22(10.5,-4.5) U1(-10.5,-5.5) U2(-9.5,-5.5) U3(-8.5,-5.5) U4(-7.5,-5.5) U5(-6.5,-5.5) U6(-5.5,-5.5) U7(-4.5,-5.5) U8(-3.5,-5.5) U9(-2.5,-5.5) U10(-1.5,-5.5) U11(-0.5,-5.5) U12(0.5,-5.5) U13(1.5,-5.5) U14(2.5,-5.5) U15(3.5,-5.5) U16(4.5,-5.5) U17(5.5,-5.5) U18(6.5,-5.5) U19(7.5,-5.5) U20(8.5,-5.5) U21(9.5,-5.5) U22(10.5,-5.5) V1(-10.5,-6.5) V2(-9.5,-6.5) V3(-8.5,-6.5) V4(-7.5,-6.5) V5(-6.5,-6.5) V6(-5.5,-6.5) V7(-4.5,-6.5) V8(-3.5,-6.5) V9(-2.5,-6.5) V10(-1.5,-6.5) V11(-0.5,-6.5) V12(0.5,-6.5) V13(1.5,-6.5) V14(2.5,-6.5) V15(3.5,-6.5) V16(4.5,-6.5) V17(5.5,-6.5) V18(6.5,-6.5) V19(7.5,-6.5) V20(8.5,-6.5) V21(9.5,-6.5) V22(10.5,-6.5) W1(-10.5,-7.5) W2(-9.5,-7.5) W3(-8.5,-7.5) W4(-7.5,-7.5) W5(-6.5,-7.5) W6(-5.5,-7.5) W7(-4.5,-7.5) W8(-3.5,-7.5) W9(-2.5,-7.5) W10(-1.5,-7.5) W11(-0.5,-7.5) W12(0.5,-7.5) W13(1.5,-7.5) W14(2.5,-7.5) W15(3.5,-7.5) W16(4.5,-7.5) W17(5.5,-7.5) W18(6.5,-7.5) W19(7.5,-7.5) W20(8.5,-7.5) W21(9.5,-7.5) W22(10.5,-7.5) Y1(-10.5,-8.5) Y2(-9.5,-8.5) Y3(-8.5,-8.5) Y4(-7.5,-8.5) Y5(-6.5,-8.5) Y6(-5.5,-8.5) Y7(-4.5,-8.5) Y8(-3.5,-8.5) Y9(-2.5,-8.5) Y10(-1.5,-8.5) Y11(-0.5,-8.5) Y12(0.5,-8.5) Y13(1.5,-8.5) Y14(2.5,-8.5) Y15(3.5,-8.5) Y16(4.5,-8.5) Y17(5.5,-8.5) Y18(6.5,-8.5) Y19(7.5,-8.5) Y20(8.5,-8.5) Y21(9.5,-8.5) Y22(10.5,-8.5)
  TOP drawing of 637 lines, arcs and shapes, not listed
  silkscreen extent -11.5,-11.5 11.5,11.5, body extent -11.51,-11.51 11.51,11.51, height 1.6
HEADER2MM_SM [mm] "HEADER2MM_SM"
  rect 2.75x1 smd: 1(-2.038,5.96) 2(2.142,6) 3(-2.038,3.96) 4(2.142,4) 5(-2.143,2) 6(2.107,2) 7(-2.038,-0.04) 8(2.142,0) 9(-2.038,-2.04) 10(2.142,-2) 11(-2.038,-4.04) 12(2.142,-4) 13(-2.038,-6.04) 14(2.142,-6)
  TOP lines w0.127: -0.296,3.6 -0.296,3.72 -0.536,3.96 -2.038,3.96 ; -0.296,-0.04 -2.038,-0.04 ; -2.038,-2.04 -3.604,-2.04 -3.931,-2.367 -5.709,-2.367 ; -2.143,2 -3.709,2 -3.709,3.202 -4.106,3.599 -7.02,3.599 -7.352,3.931 -7.921,3.931 -8.556,3.296 -8.556,2.179 -9.255,1.48 -9.699,1.48
  silkscreen extent -3.22,-8.5 3.19,8.5, body extent -3.02,-8.33 3.28,8.32, height 7.45